# Altium PCB vme64x6U_ctrlc.PcbDoc (part 14 of 16)
Units mm, origin at the board's own origin, x right, y up, seen from the top; angles counter-clockwise.
Board outline 440 x 340 mm, 6 copper layers (TopLayer, PlaneGnd, PlanePwr, MidLayer3, MidLayer4, BottomLayer); 407 components, 1301 nets, 2174 pads, 980 vias.
Unrouted connection lines stored in the file: 264.
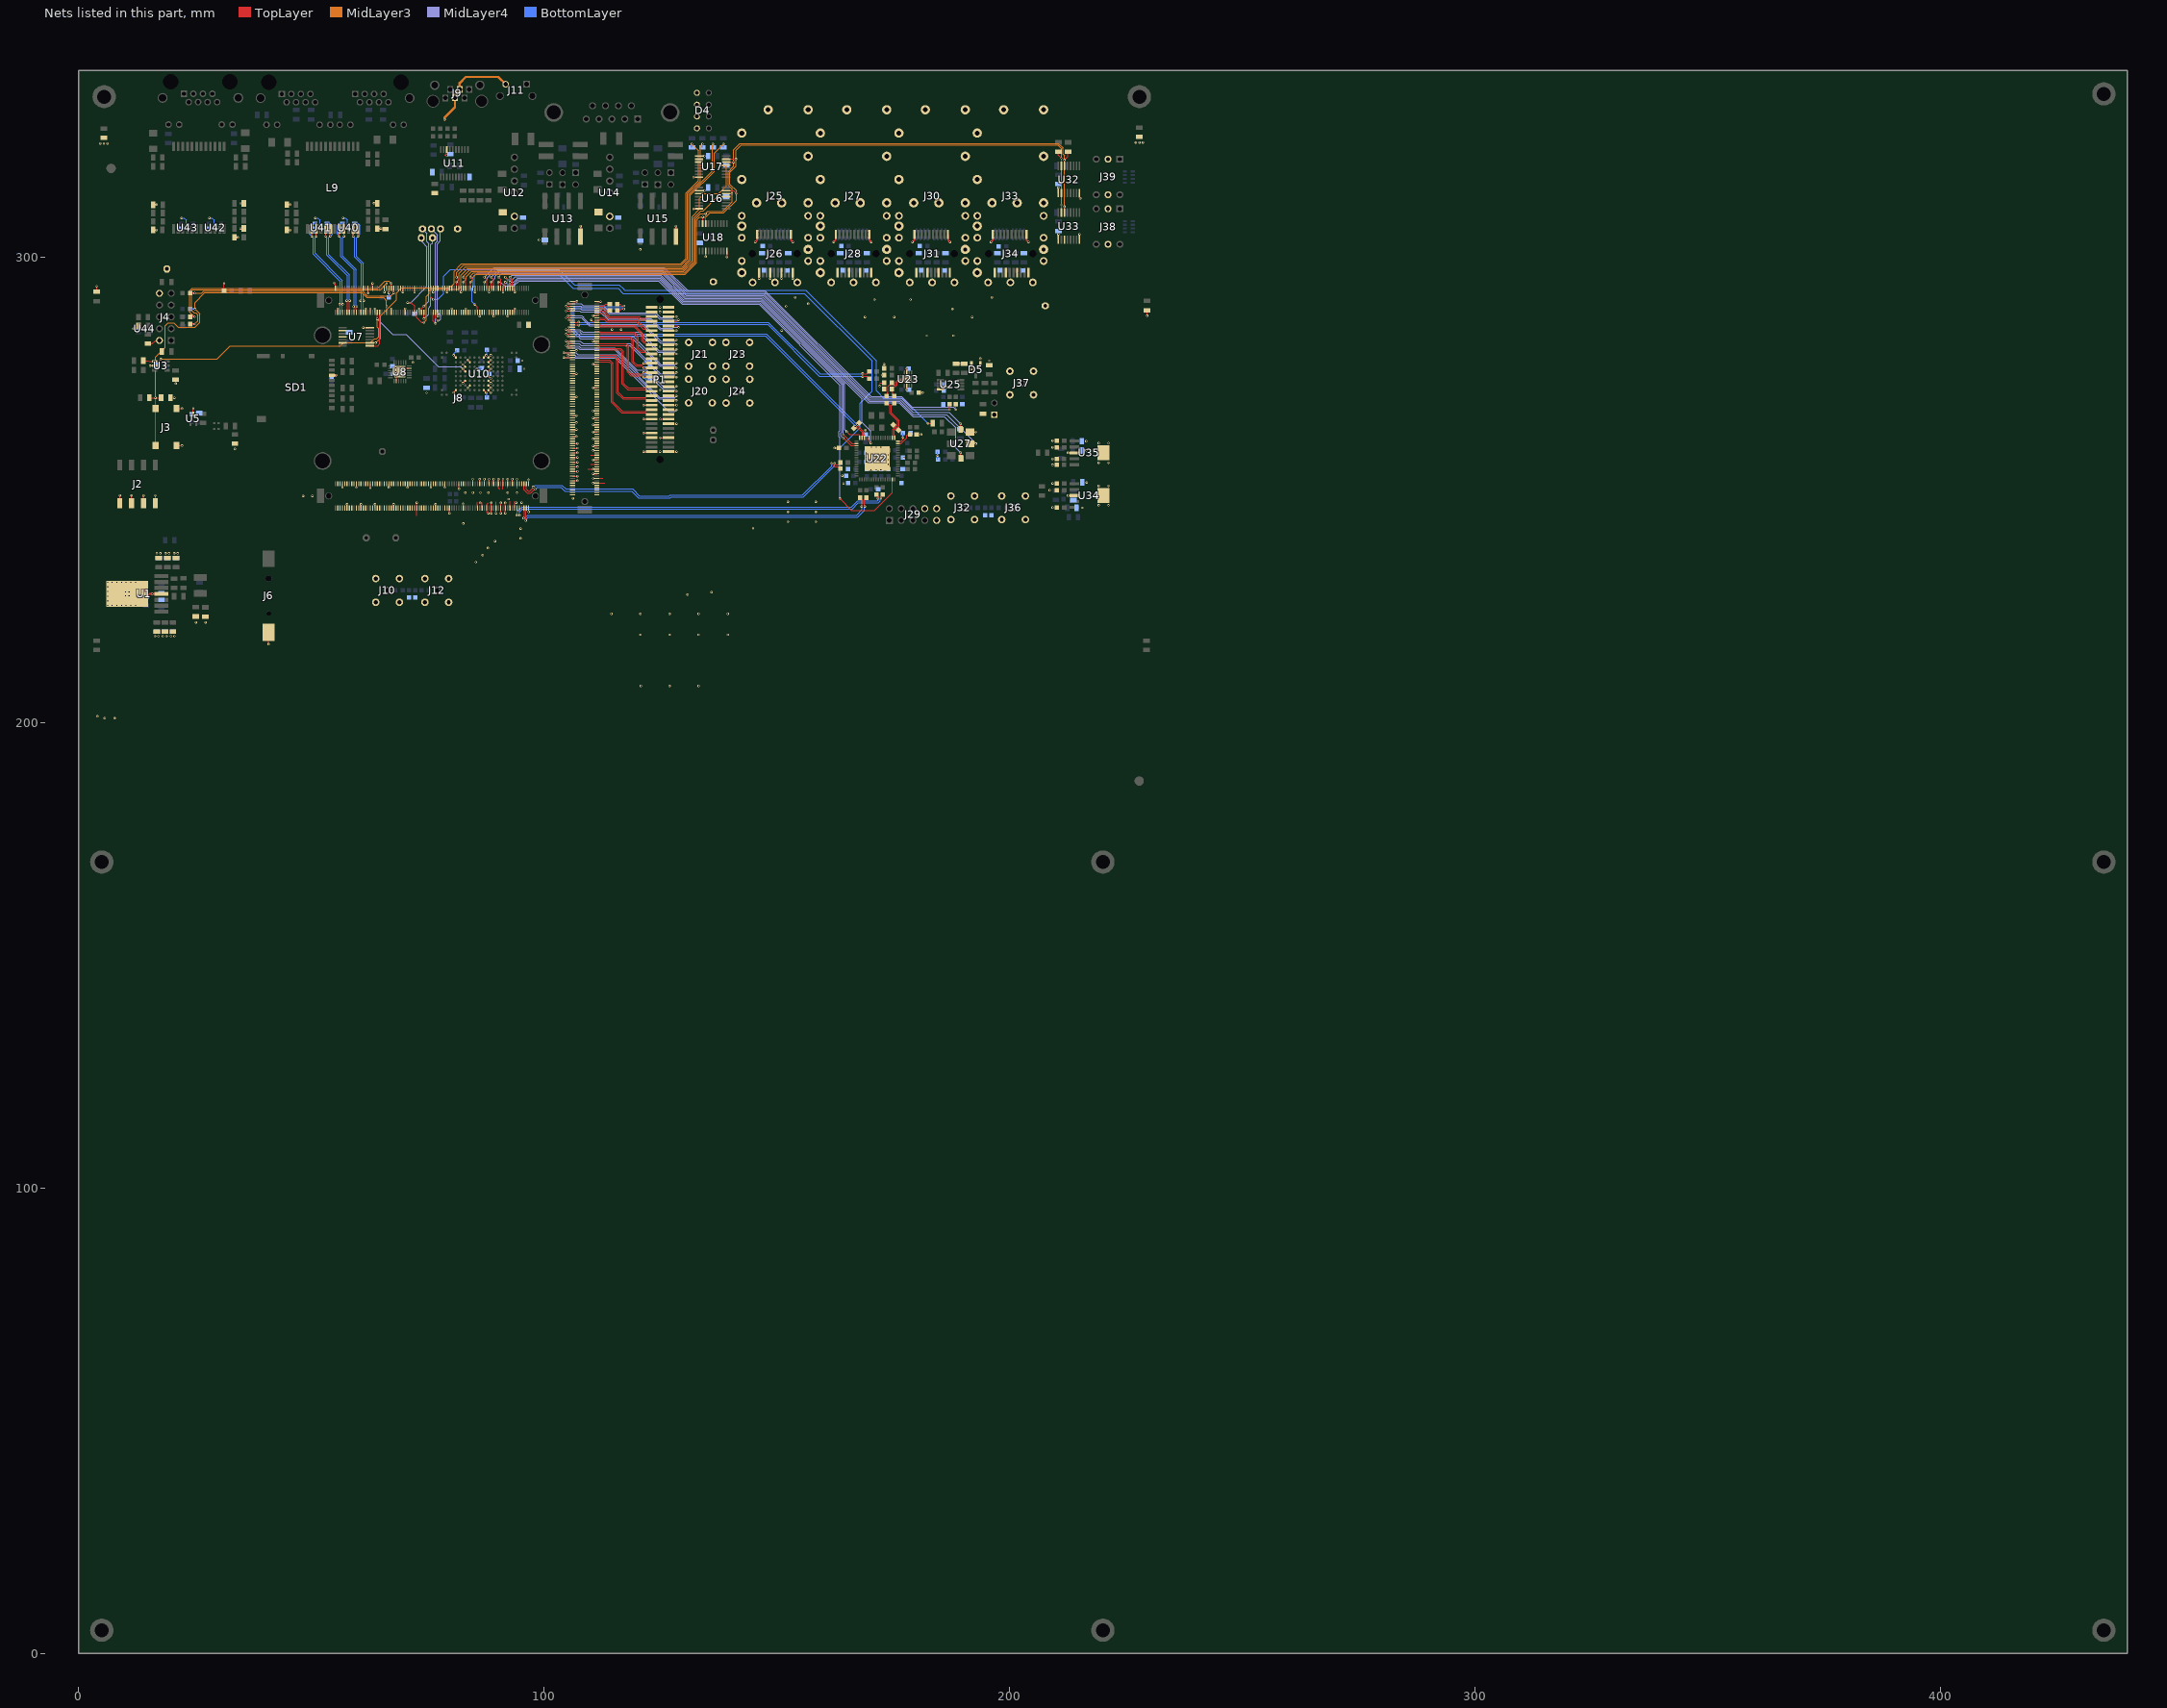
[diagram p18: the nets of this part, all layers, seen from the top]

## Via types
v1: diameter 0.5, hole 0.2, TopLayer to BottomLayer, tented both sides, 980 vias

## Nets (pads, with @x,y where several pads share a name; then routed paths per layer and width w, separated by ;. In a path a pad name is that pad's centre, name@x,y a point inside that pad or via, vN(x,y) a via of type N, cw(c..) or ccw(c..) an arc to the next point about the centre after c; other vN are vias at no path point) (continued)
ETH1A_RX_N: J8.A156 L9.6 U41.4 | length 23.9
  TopLayer w0.15: J8.A156@58.175,288.05 58.175,288.675 58.127,288.723 58.127,290.442 v1(58.26,290.575)
  TopLayer w0.25: v1(54.055,304.425) L9.6@54.055,306
  BottomLayer w0.25: U41.4@53.375,307.235 54.09,307.235 54.54,306.785 54.54,304.91 v1(54.055,304.425) 53.775,304.145 53.775,300.501 58.138,296.139 58.138,290.697 v1(58.26,290.575)
ETH1A_RX_P: J8.A158 L9.5 U41.6 | length 21.1
  TopLayer w0.15: v1(57.59,290.575) 57.723,290.442 57.723,288.723 57.675,288.675 J8.A158@57.675,288.05
  TopLayer w0.25: v1(53.065,304.425) L9.5@53.065,306
  BottomLayer w0.25: U41.6@53.375,305.335 53.315,305.335 53.065,305.085 v1(53.065,304.425) 53.35,304.14 53.35,300.325 57.713,295.963 57.713,290.697 v1(57.59,290.575)
ETH1A_TX_N: J8.A162 L9.3 U41.1 | length 21.6
  TopLayer w0.15: v1@56.627,289.667 56.627,288.723 56.675,288.675 J8.A162@56.675,288.05 ; v1@56.627,289.692 v1(56.76,289.825)
  TopLayer w0.25: v1(51.085,304.425) L9.3@51.085,306
  BottomLayer w0.25: U41.1@50.775,305.335 51.085,305.025 v1(51.085,304.425) 50.803,304.143 50.803,300.749 56.638,294.914 56.638,289.947 v1(56.76,289.825)
ETH1A_TX_P: J8.A164 L9.2 U41.3 | length 24.5
  TopLayer w0.15: v1(56.09,289.825) v1@56.223,289.692 ; J8.A164@56.175,288.05 56.175,288.675 56.223,288.723 v1@56.223,289.667
  TopLayer w0.25: v1(50.095,304.425) L9.2@50.095,306
  BottomLayer w0.25: U41.3@50.775,307.235 50.06,307.235 49.61,306.785 49.61,304.91 v1(50.095,304.425) 50.378,304.143 50.378,300.572 56.213,294.738 56.213,289.947 v1(56.09,289.825)
ETH1B_RX_N: J8.A144 L9.12 U40.4 | length 22.7
  TopLayer w0.15: J8.A144@61.175,288.05 61.175,288.675 61.127,288.723 61.127,290.442 v1(61.26,290.575)
  TopLayer w0.25: v1(59.995,304.425) L9.12@59.995,306
  BottomLayer w0.25: U40.4@59.315,307.235 60.03,307.235 60.48,306.785 60.48,304.91 v1(59.995,304.425) 59.713,304.143 59.713,300.089 61.138,298.664 61.138,290.697 v1(61.26,290.575)
ETH1B_RX_P: J8.A146 L9.11 U40.6 | length 19.8
  TopLayer w0.15: v1(60.59,290.575) 60.723,290.442 60.723,288.723 60.675,288.675 J8.A146@60.675,288.05
  TopLayer w0.25: v1(59.005,304.425) L9.11@59.005,306
  BottomLayer w0.25: 59.288,303.624 59.288,299.912 60.713,298.488 60.713,290.697 v1(60.59,290.575) ; 59.288,303.65 59.288,304.143 v1(59.005,304.425) 59.005,305.085 59.255,305.335 U40.6@59.315,305.335
ETH1B_TX_N: J8.A150 L9.9 U40.1 | length 20.4
  TopLayer w0.15: J8.A150@59.675,288.05 59.675,288.675 59.627,288.723 59.627,289.178 v1(59.773,289.325)
  TopLayer w0.25: v1(57.025,304.425) L9.9@57.025,306
  BottomLayer w0.25: U40.1@56.715,305.335 57.025,305.025 v1(57.025,304.425) 56.743,304.143 56.743,300.209 59.65,297.301 59.65,289.448 v1(59.773,289.325)
ETH1B_TX_P: J8.A152 L9.8 U40.3 | length 23.3
  TopLayer w0.15: v1(59.09,289.325) 59.223,289.192 59.223,288.723 59.175,288.675 J8.A152@59.175,288.05
  TopLayer w0.25: v1(56.035,304.425) L9.8@56.035,306
  BottomLayer w0.25: U40.3@56.715,307.235 56,307.235 55.55,306.785 55.55,304.91 v1(56.035,304.425) 56.318,304.143 56.318,300.033 59.225,297.125 59.225,289.46 v1(59.09,289.325)
FPGA_CONFDONE: J8.A130 U7.1 | length 9
  TopLayer w0.15: U7.1@62.56,280.89 64.24,280.89 64.675,281.325 J8.A130@64.675,288.05
FPGA_CONFDONE_LED: R146.1 U7.2 | length 107.7
  TopLayer w0.15: U7.2@62.56,281.54 v1(63.84,281.54)
  MidLayer3 w0.15: v1(63.84,281.54) 64.85,282.55 64.85,287.325 68.25,290.725 68.25,292.25 69.32,293.32 79.67,293.32 80.65,294.3 80.65,296.9 82.225,298.475 83.2,298.475 129.336,298.475 130.495,299.634 130.495,313.678 133.2,316.383 133.2,322.775 v1(131.75,324.225)
  BottomLayer w0.15: R146.1@131.75,323.5 v1(131.75,324.225)
FPLLIN_N: C45.1 R56.1 U23.11 | length 6.2
  TopLayer w0.15: C45.1@173.725,270.15 173.725,270.8 173.85,270.925 173.85,272.15 R56.1@174.65,272.95 175.15,272.45 175.375,272.45 175.525,272.6 175.525,273.097 175.815,273.387 176.088,273.387 176.175,273.475 U23.11@176.7,273.475
FPLLIN_P: C46.1 R55.1 U23.12 | length 4.5
  TopLayer w0.15: C46.1@174.925,270.2 174.925,270.725 174.65,271 R55.1@174.65,271.6 175.175,272.125 175.51,272.125 175.85,272.465 175.85,272.962 175.95,273.062 176.088,273.062 176.175,272.975 U23.12@176.7,272.975
GEPAD: U23.17
  other v1: 177.675,273.25 178.625,273.25 177.675,274.2 178.625,274.2
GlobEn: 
GND: C3.1 C5.1 C6.1 C7.2 C8.1 C9.2 C10.2 C11.1 C12.1 C14.2 C15.2 C16.1 C17.1 C18.1 C19.1 C20.1 C21.1 C24.1 C25.1 C26.1 C27.1 C29.1 C31.1 C32.1 C34.1 C52.2 C54.2 C55.1 C56.2 C57.2 C58.1 C59.2 C60.1 C70.1 C71.1 C72.1 C75.1 C78.2 C80.2 C85.1 C86.1 C89.1 C90.1 C92.1 C101.1 C103.2 C104.2 C105.1 C106.2 C107.2 C110.1 C111.1 C113.1 C114.1 C115.1 C116.1 C118.1 C119.1 C121.1 C123.1 C124.1 C126.1 C128.1 C130.1 C131.1 C132.1 C133.1 C134.1 C135.1 C137.1 C138.1 C139.1 C140.1 C141.1 C144.1 C150.1 C152.1 C155.1 C156.1 C158.1 C162.2 C163.2 C164.2 C167.1 C169.1 C172.1 C174.1 C175.1 C176.2 C177.2 C178.2 C179.2 C180.2 C181.2 C182.2 C183.2 C187.1 C190.2 C197.2 C198.2 C199.1 C200.2 C212.1 C214.1 C217.1 C218.1 C219.2 C220.1 C221.1 C222.1 C223.2 C224.1 C225.2 D3.1 D4.2 D4.4 D4.6 D4.8 D5.1 D5.2 J2.1 J2.2 J2.3 J2.4 J3.3 J3.4 J4.10 J6.2 J8.A13 J8.A14 J8.A20 J8.A23 J8.A32 J8.A35 J8.A44 J8.A47 J8.A56 J8.A59 J8.A68 J8.A71 J8.A80 J8.A83 J8.A96 J8.A99 J8.A108 J8.A109 J8.A120 J8.A125 J8.A134 J8.A135 J8.A138 J8.A139 J8.A142 J8.A143 J8.A166 J8.A167 J8.B1 J8.B2 J8.B11 J8.B14 J8.B15 J8.B18 J8.B19 J8.B22 J8.B23 J8.B26 J8.B27 J8.B30 J8.B31 J8.B34 J8.B35 J8.B38 J8.B39 J8.B42 J8.B43 J8.B46 J8.B49 J8.B58 J8.B61 J8.B70 J8.B73 J8.B82 J8.B85 J8.B98 J8.B105 J8.B118 J8.B121 J8.B134 J8.B137 J8.B146 J8.B149 J8.B158 J8.B161 J8.C1 J8.C2 J8.C11 J8.C14 J8.C15 J8.C18 J8.C19 J8.C22 J8.C23 J8.C26 J8.C27 J8.C30 J8.C31 J8.C34 J8.C35 J8.C38 J8.C39 J8.C42 J8.C43 J8.C46 J8.C49 J8.C52 J8.C55 J8.C58 J8.C61 J8.C64 J8.C67 J8.C70 J8.C73 J8.C86 J8.C93 J8.C106 J8.C113 J8.C126 J8.C133 J8.C146 J8.C149 J8.C152 J8.C155 J8.C167 J8.C168 J9.3 J9.4 J10.2 J11.2 J12.2 J20.2 J21.2 J23.2 J24.2 J25.1 J25.2 J25.3 J25.4 J25.5 J25.6 J25.7 J25.8 J25.9 J25.10 J25.11 J25.12 J25.13 J25.14 J25.15 J25.16 J25.17 J25.18 J25.19 J25.20 J26.1 J26.10 J26.11 J26.14 J26.17 J26.20 J27.1 J27.2 J27.3 J27.4 J27.5 J27.6 J27.7 J27.8 J27.9 J27.10 J27.11 J27.12 J27.13 J27.14 J27.15 J27.16 J27.17 J27.18 J27.19 J27.20 J28.1 J28.10 J28.11 J28.14 J28.17 J28.20 J29.8 J29.9 J29.10 J30.1 J30.2 J30.3 J30.4 J30.5 J30.6 J30.7 J30.8 J30.9 J30.10 J30.11 J30.12 J30.13 J30.14 J30.15 J30.16 J30.17 J30.18 J30.19 J30.20 J31.1 J31.10 J31.11 J31.14 J31.17 J31.20 J32.2 J33.1 J33.2 J33.3 J33.4 J33.5 J33.6 J33.7 J33.8 J33.9 J33.10 J33.11 J33.12 J33.13 J33.14 J33.15 J33.16 J33.17 J33.18 J33.19 J33.20 J34.1 J34.10 J34.11 J34.14 J34.17 J34.20 J35.1 J36.2 J37.2 J38.C1 J38.C2 J39.C1 J39.C2 P1.1 P1.2 P1.7 P1.8 P1.10 P1.13 P1.15 P1.16 P1.21 P1.22 P1.31 P1.32 P1.41 P1.42 P1.51 P1.52 P1.61 P1.62 P1.63 P1.64 R1.1 R3.2 R14.2 R39.1 R55.2 R56.2 R57.1 R58.1 R60.2 R61.2 R68.1 R69.1 R71.2 R79.2 R81.1 R91.1 R112.1 R115.1 R118.2 R127.2 R132.1 R160.2 R161.2 R175.1 R176.2 R194.2 SD1.6 TP1.1 TP10.1 TP13.1 TP14.1 U1.0 U1.4 U3.2 U5.2 U7.7 U7.9 U7.11 U7.13 U8.2 U8.11 U8.25 U10.G2 U10.G3 U10.G4 U10.G5 U10.G6 U10.G7 U10.G8 U10.G9 U10.H2 U10.H9 U10.J5 U10.L3 U10.L8 U10.M4 U10.M7 U10.P2 U10.P9 U11.18 U12.2 U13.4 U14.2 U15.4 U16.2 U16.3 U16.8 U17.1 U17.2 U17.3 U17.8 U18.3 U18.10 U22.65 U23.7 U23.14 U25.8 U27.3 U32.1 U32.2 U32.8 U33.1 U33.3 U33.8 U34.0 U34.3 U35.0 U35.3 U40.2 U41.2 U42.2 U43.2 U44.2 | length 261.2
  TopLayer w0.15: v1(15.39,276.585) U3.2@16.335,276.585 ; U5.2@24.65,266.325 v1(24.65,267.4) ; v1(40.85,216.8) J6.2@40.85,219.33 ; v1(61.16,284.79) U7.7@62.56,284.79 ; v1(80.55,270.875) U10.P9@81.05,271.375 ; v1(80.55,278.875) U10.P2@81.05,278.375 ; v1(82.55,272.875) U10.M7@83.05,273.375 ; v1(82.55,276.875) U10.M4@83.05,276.375 ; v1(83.55,271.875) U10.L8@84.05,272.375 ; v1(83.55,277.875) U10.L3@84.05,277.375 ; v1(85.55,275.875) U10.J5@86.05,275.375 ; U10.H9@87.05,271.375 v1(87.55,270.875) ; U10.H2@87.05,278.375 v1(87.55,278.875) ; U10.G9@88.05,271.375 v1(88.55,270.875) ; U10.G8@88.05,272.375 v1(88.55,271.875) ; U10.G7@88.05,273.375 v1(88.55,272.875) ; U10.G6@88.05,274.375 v1(88.55,273.875) ; U10.G5@88.05,275.375 v1(88.55,275.875) ; U10.G4@88.05,276.375 v1(88.55,276.875) ; U10.G3@88.05,277.375 v1(88.55,277.875) ; U10.G2@88.05,278.375 v1(88.55,278.875) ; v1(105.325,284.9) J8.C146@106.125,284.9 ; v1(105.325,286.4) J8.C152@106.125,286.4 ; J8.C14@106.125,251.9 106.925,251.9 ; J8.C18@106.125,252.9 106.925,252.9 ; J8.C22@106.125,253.9 106.925,253.9 ; J8.C26@106.125,254.9 106.925,254.9 ; J8.C30@106.125,255.9 106.925,255.9 ; J8.C34@106.125,256.9 106.925,256.9 ; J8.C38@106.125,257.9 106.925,257.9 ; J8.C42@106.125,258.9 106.925,258.9 ; J8.C46@106.125,259.9 106.925,259.9 ; J8.C52@106.125,261.4 v1(106.925,261.4) ; J8.C58@106.125,262.9 v1(106.925,262.9) ; J8.C64@106.125,264.4 v1(106.925,264.4) ; J8.C70@106.125,265.9 v1(106.925,265.9) ; J8.C86@106.125,269.9 v1(106.925,269.9) ; J8.C106@106.125,274.9 v1(106.925,274.9) ; J8.C126@106.125,279.9 v1(106.925,279.9) ; J8.C168@106.2,290.368 v1@107,290.368 ; v1(110.15,286.45) 110.7,285.9 J8.C149@111.325,285.9 ; v1(110.525,251.4) J8.C11@111.325,251.4 112.975,251.4 ; v1(110.525,252.4) J8.C15@111.325,252.4 112.65,252.4 ; v1(110.525,253.4) J8.C19@111.325,253.4 ; v1(110.525,254.4) J8.C23@111.325,254.4 ; v1(110.525,256.4) J8.C31@111.325,256.4 ; v1(110.525,258.4) J8.C39@111.325,258.4 ; v1(110.525,259.4) J8.C43@111.325,259.4 ; v1(110.525,260.9) J8.C49@111.325,260.9 ; v1(110.525,262.4) J8.C55@111.325,262.4 ; v1(110.525,265.4) J8.C67@111.325,265.4 ; v1(110.525,266.9) J8.C73@111.325,266.9 ; v1(110.525,271.9) J8.C93@111.325,271.9 ; v1(110.525,276.9) J8.C113@111.325,276.9 ; v1(110.525,281.9) J8.C133@111.325,281.9 ; v1(110.525,287.4) J8.C155@111.325,287.4 ; v1(110.535,263.91) J8.C61@111.335,263.91 ; J8.C167@111.35,290.393 v1(112.15,290.393) ; v1(134.7,300.05) U18.3@134.7,301.225 ; 172.125,272.95 R56.2@173.05,272.95 ; v1(172.6,274.6) R57.1@173.05,274.6 ; v1(177.309,256.921) v1@177.321,256.921 ; v1(177.9,271.45) U23.14@177.9,272.275 ; U23.7@177.9,275.175 v1(177.9,276) ; v1(212.507,248.725) U34.3@213.875,248.725
  TopLayer w0.2: R1.1@3.9,292.5 v1(3.9,293.7) ; J2.1@8.88,247.085 v1(8.88,248.75) ; J2.2@11.42,247.085 v1(11.42,248.75) ; J2.3@13.96,247.085 v1(13.96,248.75) ; J2.4@16.49,247.075 16.5,247.085 v1(16.5,248.75) ; D3.1@31.265,292.71 v1(31.265,294.26) ; J8.A166@55.675,288.05 v1(55.675,288.85) ; v1(56.675,250.45) J8.B161@56.675,251.25 ; J8.B158@57.675,246.05 v1(57.675,246.85) ; v1(59.675,250.45) J8.B149@59.675,251.25 ; J8.B146@60.675,246.05 v1(60.675,246.85) ; J8.A142@61.675,288.05 v1(61.675,288.85) ; v1(62.675,250.4) J8.B137@62.675,251.25 ; J8.A138@62.675,288.05 v1(62.675,288.85) ; J8.B134@63.675,246.05 v1(63.675,246.85) ; J8.A134@63.675,288.05 v1(63.675,288.85) ; v1(65.675,292.45) J8.A125@65.675,293.25 ; v1(66.675,250.45) J8.B121@66.675,251.25 ; J8.A120@67.175,288.05 v1(67.175,288.85) ; J8.B118@67.675,246.05 v1(67.675,246.85) ; U8.2@68.275,273.3 68.275,274.55 U8.25@69.025,275.3 69.775,276.05 U8.11@71.025,276.05 ; v1(69.675,292.45) J8.A109@69.675,293.25 ; J8.A108@70.175,288.05 v1(70.175,288.85) ; v1(70.675,250.45) J8.B105@70.675,251.25 ; v1(72.175,292.45) J8.A99@72.175,293.25 ; 72.675,244.401 J8.B98@72.675,246.05 v1(72.675,247.2) ; J8.A96@73.175,288.05 v1(73.175,288.85) ; v1(75.675,250.45) J8.B85@75.675,251.25 ; v1(76.175,292.45) J8.A83@76.175,293.25 ; J8.B82@76.675,246.05 v1(76.675,246.85) ; v1(77.175,287.25) J8.A80@77.175,288.05 ; v1(78.675,250.45) J8.B73@78.675,251.25 ; v1(79.175,292.45) J8.A71@79.175,293.25 ; v1(79.65,244.9) 79.675,244.925 J8.B70@79.675,246.05 ; J8.A68@80.175,288.05 v1(80.175,288.85) ; J8.B61@81.675,251.25 81.675,250.186 v1(81.72,250.186) ; v1(82.175,292.45) J8.A59@82.175,293.25 ; J8.B58@82.675,246.05 v1@82.675,246.85 ; J8.A56@83.175,288.05 v1(83.175,288.85) ; J8.B49@84.675,251.25 v1(84.675,252.25) ; v1(85.175,292.45) J8.A47@85.175,293.25 ; J8.B46@85.675,246.05 85.675,247.3 ; J8.B43@86.175,251.25 v1(86.175,252.25) ; v1(86.175,287.25) J8.A44@86.175,288.05 ; J8.B42@86.675,246.05 86.675,247.175 ; J8.B39@87.175,251.25 v1(87.175,252.25) ; v1(88,244.925) 87.675,245.25 J8.B38@87.675,246.05 87.675,246.825 88.075,247.225 ; J8.B35@88.175,251.25 v1(88.175,252.25) ; v1(88.175,292.45) J8.A35@88.175,293.25 ; v1@88.675,244.95 J8.B34@88.675,246.05 v1(88.675,247.15) ; J8.B31@89.175,251.25 v1(89.175,252.25) ; v1(89.175,287.25) J8.A32@89.175,288.05 ; v1(89.675,244.95) J8.B30@89.675,246.05 89.675,247.37 ; v1(90.175,252.25) J8.B27@90.175,251.25 90.175,250.375 90.45,250.1 ; v1(90.675,244.95) J8.B26@90.675,246.05 v1(90.675,247.15) ; 91.175,250.075 J8.B23@91.175,251.25 v1(91.175,252.25) ; v1(91.175,292.45) J8.A23@91.175,293.25 ; v1(91.675,244.95) J8.B22@91.675,246.05 v1(91.675,247.15) ; 92.175,250.35 J8.B19@92.175,251.25 v1(92.175,252.25) ; v1(92.175,287.25) J8.A20@92.175,288.05 ; J8.B18@92.675,246.05 92.675,247.448 ; J8.B15@93.175,251.25 v1(93.175,252.25) ; J8.B14@93.675,246.05 93.675,247.448 ; J8.A14@93.675,288.05 v1(93.675,288.85) ; v1(93.675,292.45) J8.A13@93.675,293.25 ; 94.175,250.329 J8.B11@94.175,251.25 v1(94.175,252.25) ; v1(96.675,245.225) J8.B2@96.675,246.05 ; J8.B1@96.675,251.25 v1@96.675,252.1 ; 109.425,254.4 v1(110.525,254.4) ; 109.975,257.4 J8.C35@111.325,257.4 ; 110.05,255.4 J8.C27@111.325,255.4 ; v1(121.35,258.15) P1.2@123.1,258.15 ; v1(121.35,262.15) P1.10@123.1,262.15 ; v1(121.35,265.15) P1.16@123.1,265.15 ; v1(121.35,268.15) P1.22@123.1,268.15 ; v1(124.95,261.15) P1.7@126.7,261.15 ; v1(124.95,265.15) P1.15@126.7,265.15 ; P1.1@126.7,258.15 v1(128.45,258.15) ; P1.13@126.7,264.15 v1(128.45,264.15) ; P1.21@126.7,268.15 v1(128.45,268.15) ; R60.2@180.5,270.825 v1(181.3,270.825) ; U27.3@191.45,262.39 v1(192.71,262.39) ; v1(229.5,287.325) R81.1@229.5,288.525
  TopLayer w0.25: C5.1@16.035,305.785 v1(16.76,305.785) ; C6.1@16.06,311.185 v1(16.785,311.185) ; J3.3@21.035,259.435 v1@22.21,259.435 ; J3.4@21.035,267.385 v1@22.21,267.385 ; C19.1@33.51,304.185 v1(34.235,304.185) ; v1(34.785,306.085) C20.1@35.51,306.085 ; v1(34.785,311.485) C21.1@35.51,311.485 ; C24.1@44.75,305.775 v1(45.475,305.775) ; C25.1@44.75,311.2 v1(45.475,311.2) ; v1@54.925,294.3 55.175,294.05 J8.A167@55.175,293.25 ; 61.175,292.2 J8.A143@61.175,293.25 ; v1@62.175,292.2 J8.A139@62.175,293.25 ; J8.A135@63.175,293.25 v1(63.175,294.3) ; v1(63.475,311.5) C27.1@64.2,311.5 ; C26.1@64.2,306.075 C29.1@65.8,306.075 ; 78.735,321.81 79.085,322.16 U11.18@79.085,323.06 ; v1(132.08,310.325) U16.8@133.255,310.325 ; v1(132.08,317.1) U17.8@133.255,317.1 ; U16.2@133.255,314.225 v1(134.43,314.225) ; U17.1@133.255,321.65 v1(134.43,321.65)
  TopLayer w0.3: U13.4@107.825,304.375 v1(107.825,306.6) ; U15.4@128.3,304.375 v1(128.3,306.6) ; v1(139.25,299.975) U18.10@139.25,301.225 ; v1(145.35,303.2) 145.775,303.625 J26.10@145.775,304.8 ; v1(146.175,295.325) J26.11@146.175,296.6 ; v1(148.575,295.325) J26.14@148.575,296.6 ; v1(150.975,295.325) J26.17@150.975,296.6 ; J26.1@152.975,304.8 152.975,303.625 v1(153.4,303.2) ; v1(153.375,295.325) J26.20@153.375,296.6 ; v1(162.225,303.2) 162.65,303.625 J28.10@162.65,304.8 ; J28.1@169.85,304.8 169.85,303.625 v1(170.275,303.2) ; v1(179.1,303.2) 179.525,303.625 J31.10@179.525,304.8 ; J31.1@186.725,304.8 186.725,303.625 v1(187.15,303.2) ; v1(195.975,303.2) 196.4,303.625 J34.10@196.4,304.8 ; J34.1@203.6,304.8 203.6,303.625 v1(204.025,303.2) ; U33.1@210.45,303.68 v1(210.45,304.85) ; U32.1@210.45,313.705 v1(210.45,314.85) ; v1(212.507,257.883) U35.3@213.875,257.883 ; U33.8@215,303.68 v1(215,304.85) ; v1@215,312.655 U32.8@215,313.825
  TopLayer w0.5: U1.0@14.525,227.61 v1(15.82,227.61) U1.4@17.76,227.61 ; SD1.6@54.375,274.575 v1(55.325,274.575)
  MidLayer3 w0.5: v1(78.6,329.5) 78.6,329.875 80.84,332.115 J9.4@80.84,334.153 80.84,334.908 J9.3@81.86,335.928 81.86,337.335 83.175,338.65 90.17,338.65 J11.2@91.735,337.085
  BottomLayer w0.15: v1@11.99,284.56 U44.2@12.835,284.56 ; C118.1@176.85,256.9 176.871,256.921 v1(177.309,256.921) ; C103.2@184.525,256.5 v1(184.525,257.325) C104.2@184.525,258.15
  BottomLayer w0.25: U43.2@22.08,306.285 22.78,306.285 23.165,306.67 23.165,307.87 22.69,308.345 v1(22.165,308.345) ; U42.2@28.02,306.285 28.72,306.285 29.105,306.67 29.105,307.87 28.63,308.345 v1(28.105,308.345) ; U41.2@50.775,306.285 51.475,306.285 51.86,306.67 51.86,307.87 51.385,308.345 v1(50.86,308.345) ; U40.2@56.715,306.285 57.415,306.285 57.8,306.67 57.8,307.87 57.325,308.345 v1(56.8,308.345) ; v1@80.55,270.85 v1(80.55,270.875) ; v1(80.55,278.875) 80.55,279.175 C182.2@81.275,279.9 ; v1(85.55,275.875) 85.75,276.075 C180.2@86.575,276.075 ; v1(87.55,270.875) 87.75,270.675 C178.2@87.75,269.8 ; v1(87.55,278.875) 87.75,279.075 C179.2@87.75,280 ; v1(88.55,273.875) 88.25,274.175 C177.2@88.25,274.9 88.25,275.575 v1(88.55,275.875)
  other v1: 7.75,200.875 5.635,200.905 4.05,201.3 120.791,207.829 126.926,207.825 133.176,207.825 16.41,218.51 17.16,218.51 18.135,218.51 18.885,218.51 19.86,218.51 20.61,218.51 120.676,218.825 126.926,218.825 133.176,218.825 139.426,218.825 25.2,221.48 27.25,221.48 114.426,223.325 120.676,223.325 126.926,223.325 133.176,223.325 139.426,223.325 6.235,225.11 7.235,225.11 8.235,225.11 9.235,225.11 10.235,225.11 11.235,225.11 12.235,225.11 6.235,226.11 6.235,227.11 10.06,227.21 10.86,227.21 130.81,227.46 135.96,227.96 10.06,228.01 10.86,228.01 6.235,228.11 6.235,229.11 6.235,230.11 7.235,230.11 8.235,230.11 9.235,230.11 10.235,230.11 11.235,230.11 12.235,230.11 85.325,234.425 86.825,235.924 16.81,236.31 17.56,236.31 18.685,236.31 19.435,236.31 20.56,236.31 21.31,236.31 87.938,237.438 89.438,238.938 94.975,239.5 94.975,241.625 144.885,241.735 82.625,242.725 152.35,243.1 158.325,243.1 88.675,244.925 152.35,245.25 158.325,245.25 215.575,246.1 209.198,246.15 219.125,246.625 221.225,246.625 82.6,246.95 86.275,247.15 94,247.197 95.175,247.2 152.35,247.4 158.325,247.4 92.35,247.947 106.175,248.125 48.225,248.65 50.225,248.65 83.075,249.35 84.7,249.35 86.325,249.35 88.025,249.35 92.175,249.35 94.175,249.329 208.6,249.875 219.125,250.825 221.225,250.825 209.198,251.325 164.3,251.35 216.55,251.55 107.175,251.9 96.649,252.1 107.175,252.9 164.025,252.975 107.175,253.9 170.175,254.275 171.3,254.275 172.3,254.275 107.175,254.9 209.175,255.3 173.925,255.45 219.125,255.783 221.225,255.783 107.175,255.9 169.125,255.9 171.125,256.275 171.925,256.275 173.925,256.45 209.175,256.6 107.175,256.9 169.125,256.9 171.125,257.075 171.925,257.075 173.925,257.45 107.175,257.9 169.125,257.9 124.901,258.15 216.45,258.408 33.6,258.75 107.175,258.9 170.3,259.075 171.3,259.075 172.3,259.075 209.2,259.075 22.235,259.46 107.175,259.9 219.125,259.983 221.225,259.983 216.45,260.408 209.2,260.525 180.975,261.825 169.025,262.8 22.235,267.41 20.585,269.735 74.75,270.775 124.875,271.4 186.575,271.975 172.05,272.25 20.85,272.775 68.15,274.425 69.9,274.425 68.125,275.3 69.925,275.3 191.8,275.925 95.725,275.95 68.15,276.175 69.9,276.175 173,276.95 189.35,277.025 71.801,277.3 95.3,277.7 195.6,277.7 193.7,278.125 124.85,278.85 124.85,280.7 182.176,283.075 187.926,283.075 151.026,284.175 114.6,284.4 116.575,284.4 11.815,284.56 168.926,287.075 175.176,287.075 191.926,287.075 124.9,288.15 187.676,288.825 124.9,289.15 152.001,289.375 156.726,289.925 107.05,290.443 170.926,290.825 178.676,290.825 153.926,291.325 196.176,291.325 62.225,292.2 54.925,294.4 120.65,301.575 98.9,303.625 64.925,306.075 215.15,312.555 79.085,321.76 4.675,324.35 5.45,324.35 6.225,324.35 227.075,324.575 227.85,324.575 228.625,324.575
GPIO51: J8.A82 TP9.1 | length 22.5
  TopLayer w0.15: J8.A82@76.675,288.05 76.675,286.85 v1(77.175,286.35)
  MidLayer4 w0.15: v1(77.175,286.35) 77.45,286.35 77.775,286.675 77.775,287.4 77.075,288.1 77.075,302.8 77.725,303.45 TP9.1@77.725,306
GPIO52: J8.A84 TP7.1 | length 23.6
  TopLayer w0.15: J8.A84@76.175,288.05 76.175,286.175 v1(76.675,285.675)
  MidLayer4 w0.15: TP7.1@75.8,306 77.1,304.7 77.1,303.391 76.675,302.966 v1(76.675,285.675)
GPIO57: J8.A98 R141.1 | length 99.2
  TopLayer w0.15: J8.A98@72.675,288.05 72.675,286.975 73.7,285.95 v1(74.175,285.95)
  MidLayer3 w0.15: v1(74.175,285.95) 74.675,286.45 74.675,291.475 75.325,292.125 75.325,292.775 75.55,293 81.5,293 82.1,293.6 82.1,296.025 83.59,297.515 86.2,297.515 129.734,297.515 131.455,299.236 131.455,313.28 136.525,318.35 136.525,322.25 v1(138.5,324.225)
  BottomLayer w0.15: R141.1@138.5,323.5 v1(138.5,324.225)
GPIO58: J8.A100 TP5.1 | length 19.7